# Altium PCB smart.PcbDoc (part 1 of 5)
Units mm, origin at the board's own origin, x right, y up, seen from the top; angles counter-clockwise.
Board outline 300.1 x 225.04 mm, 2 copper layers (Top Layer, Bottom Layer); 355 components, 288 nets, 1364 pads, 1127 vias.
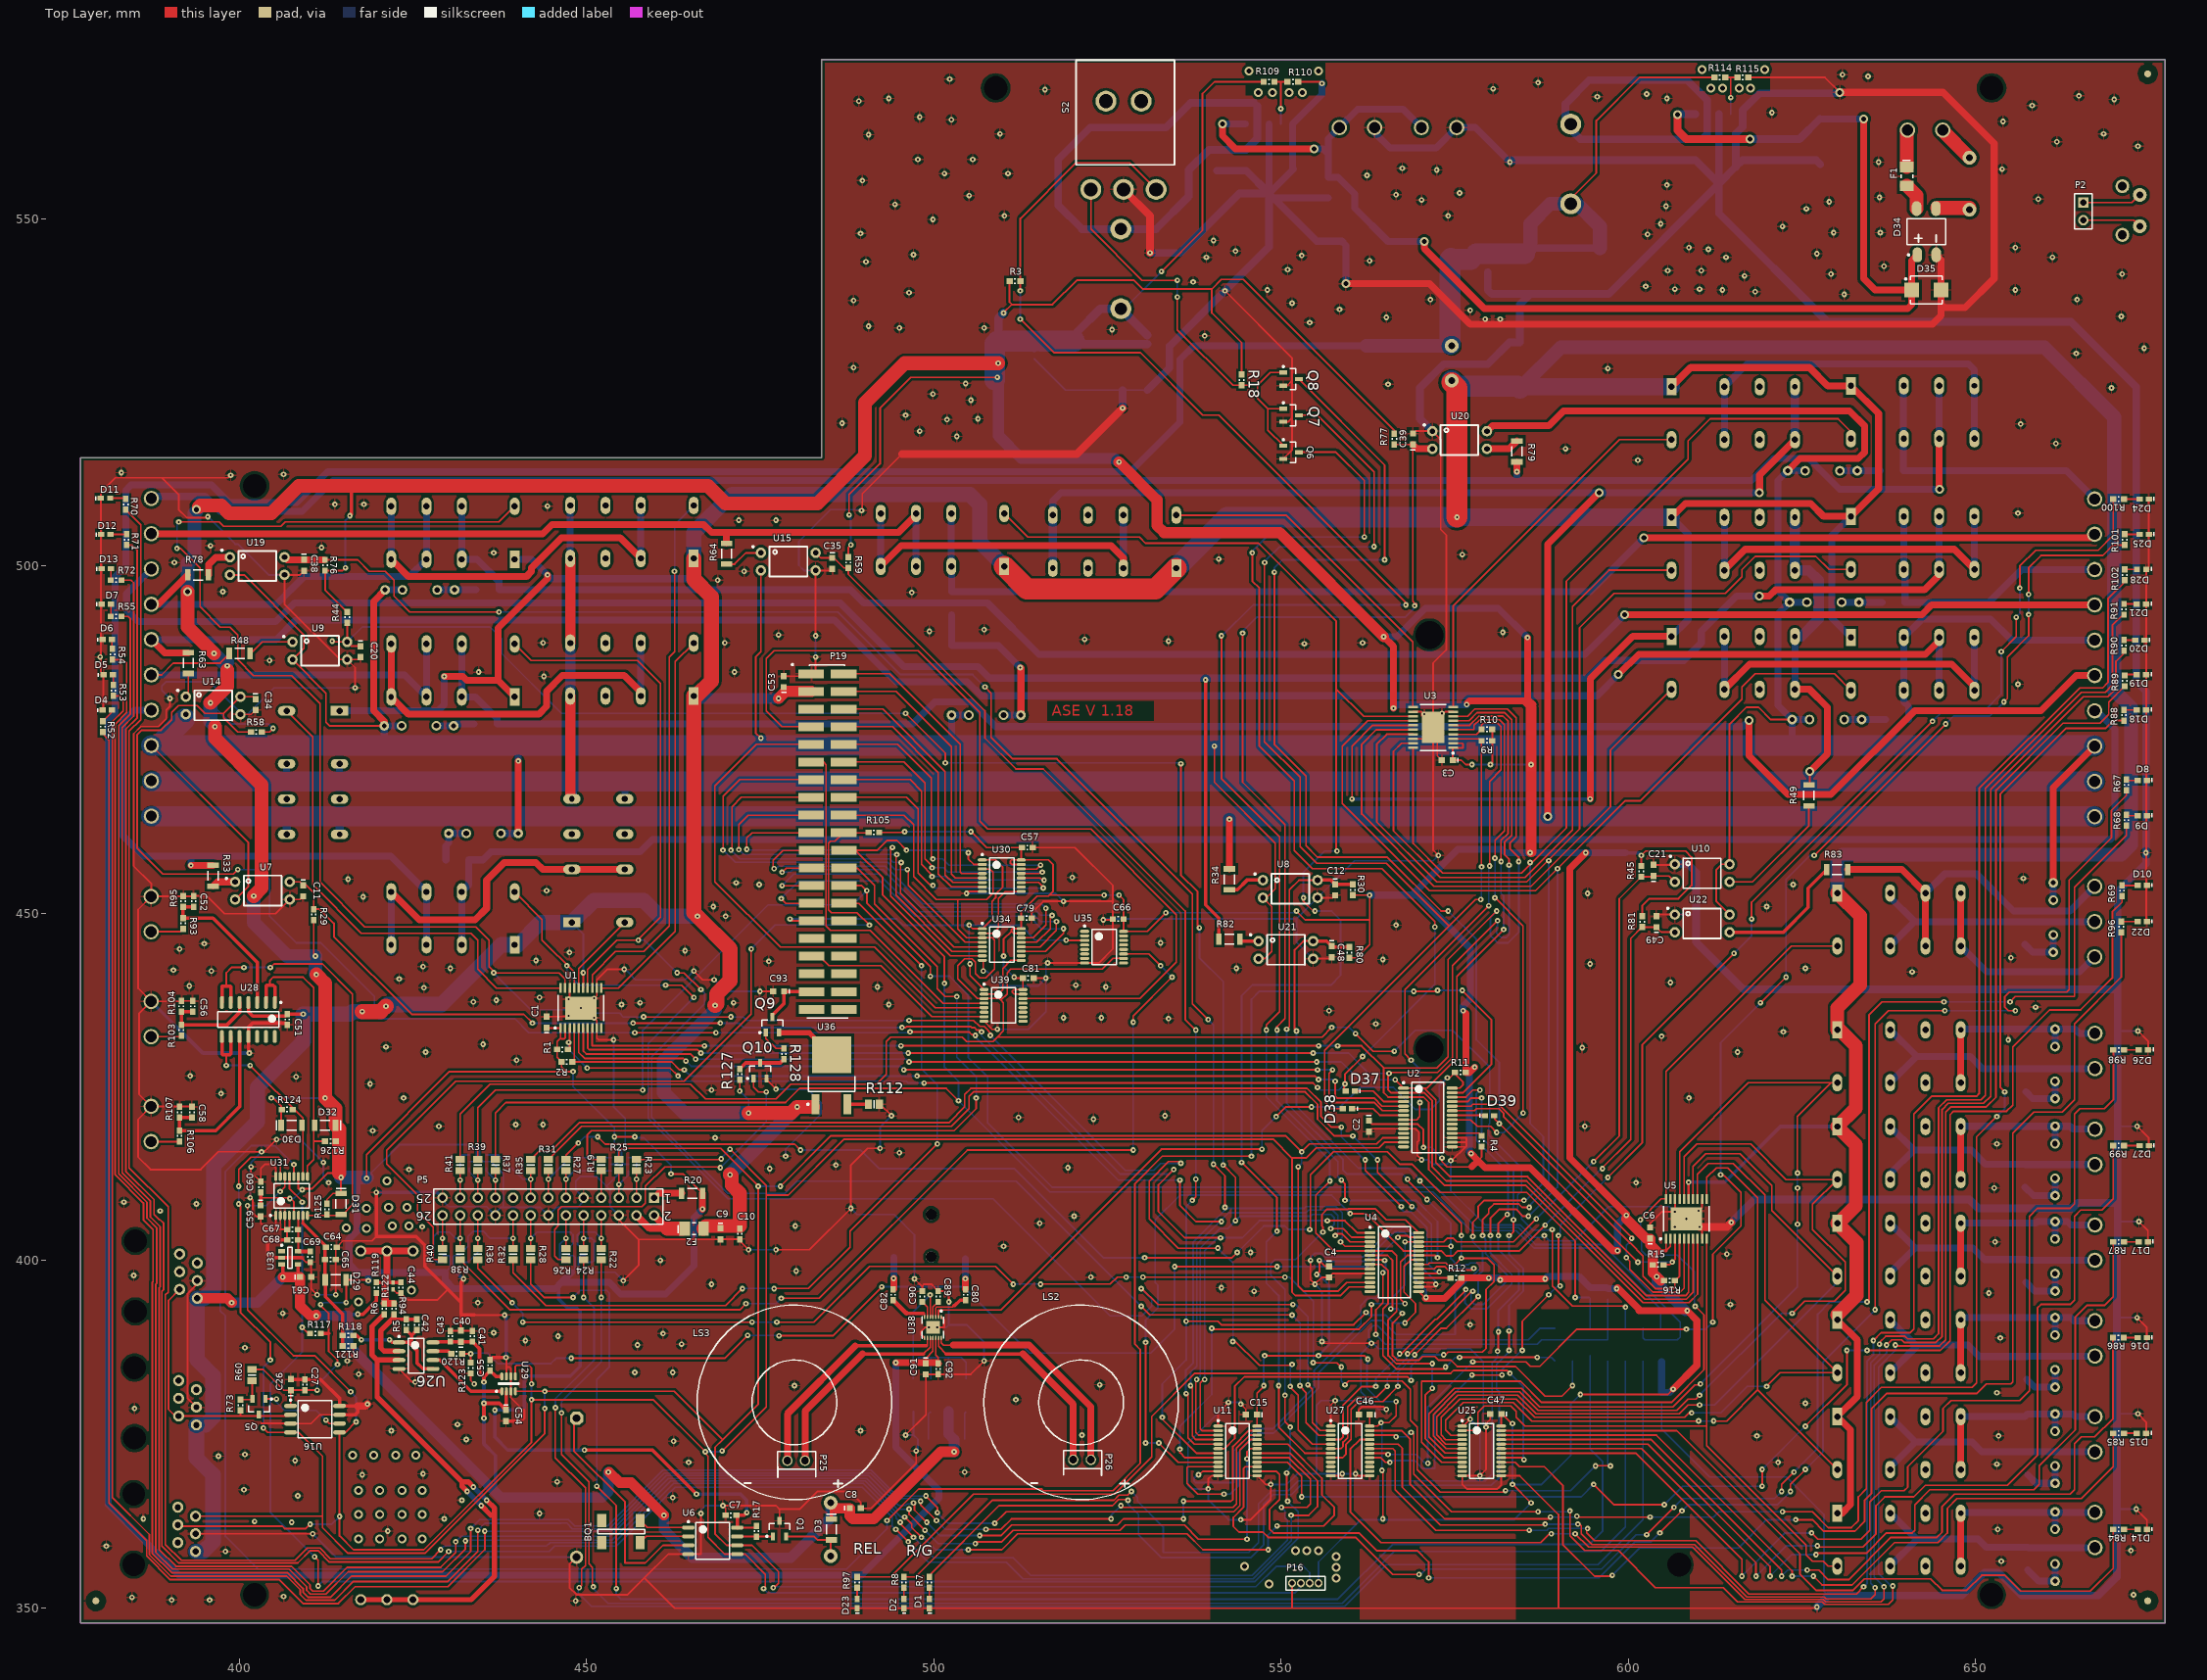
[diagram p0: Top Layer view]
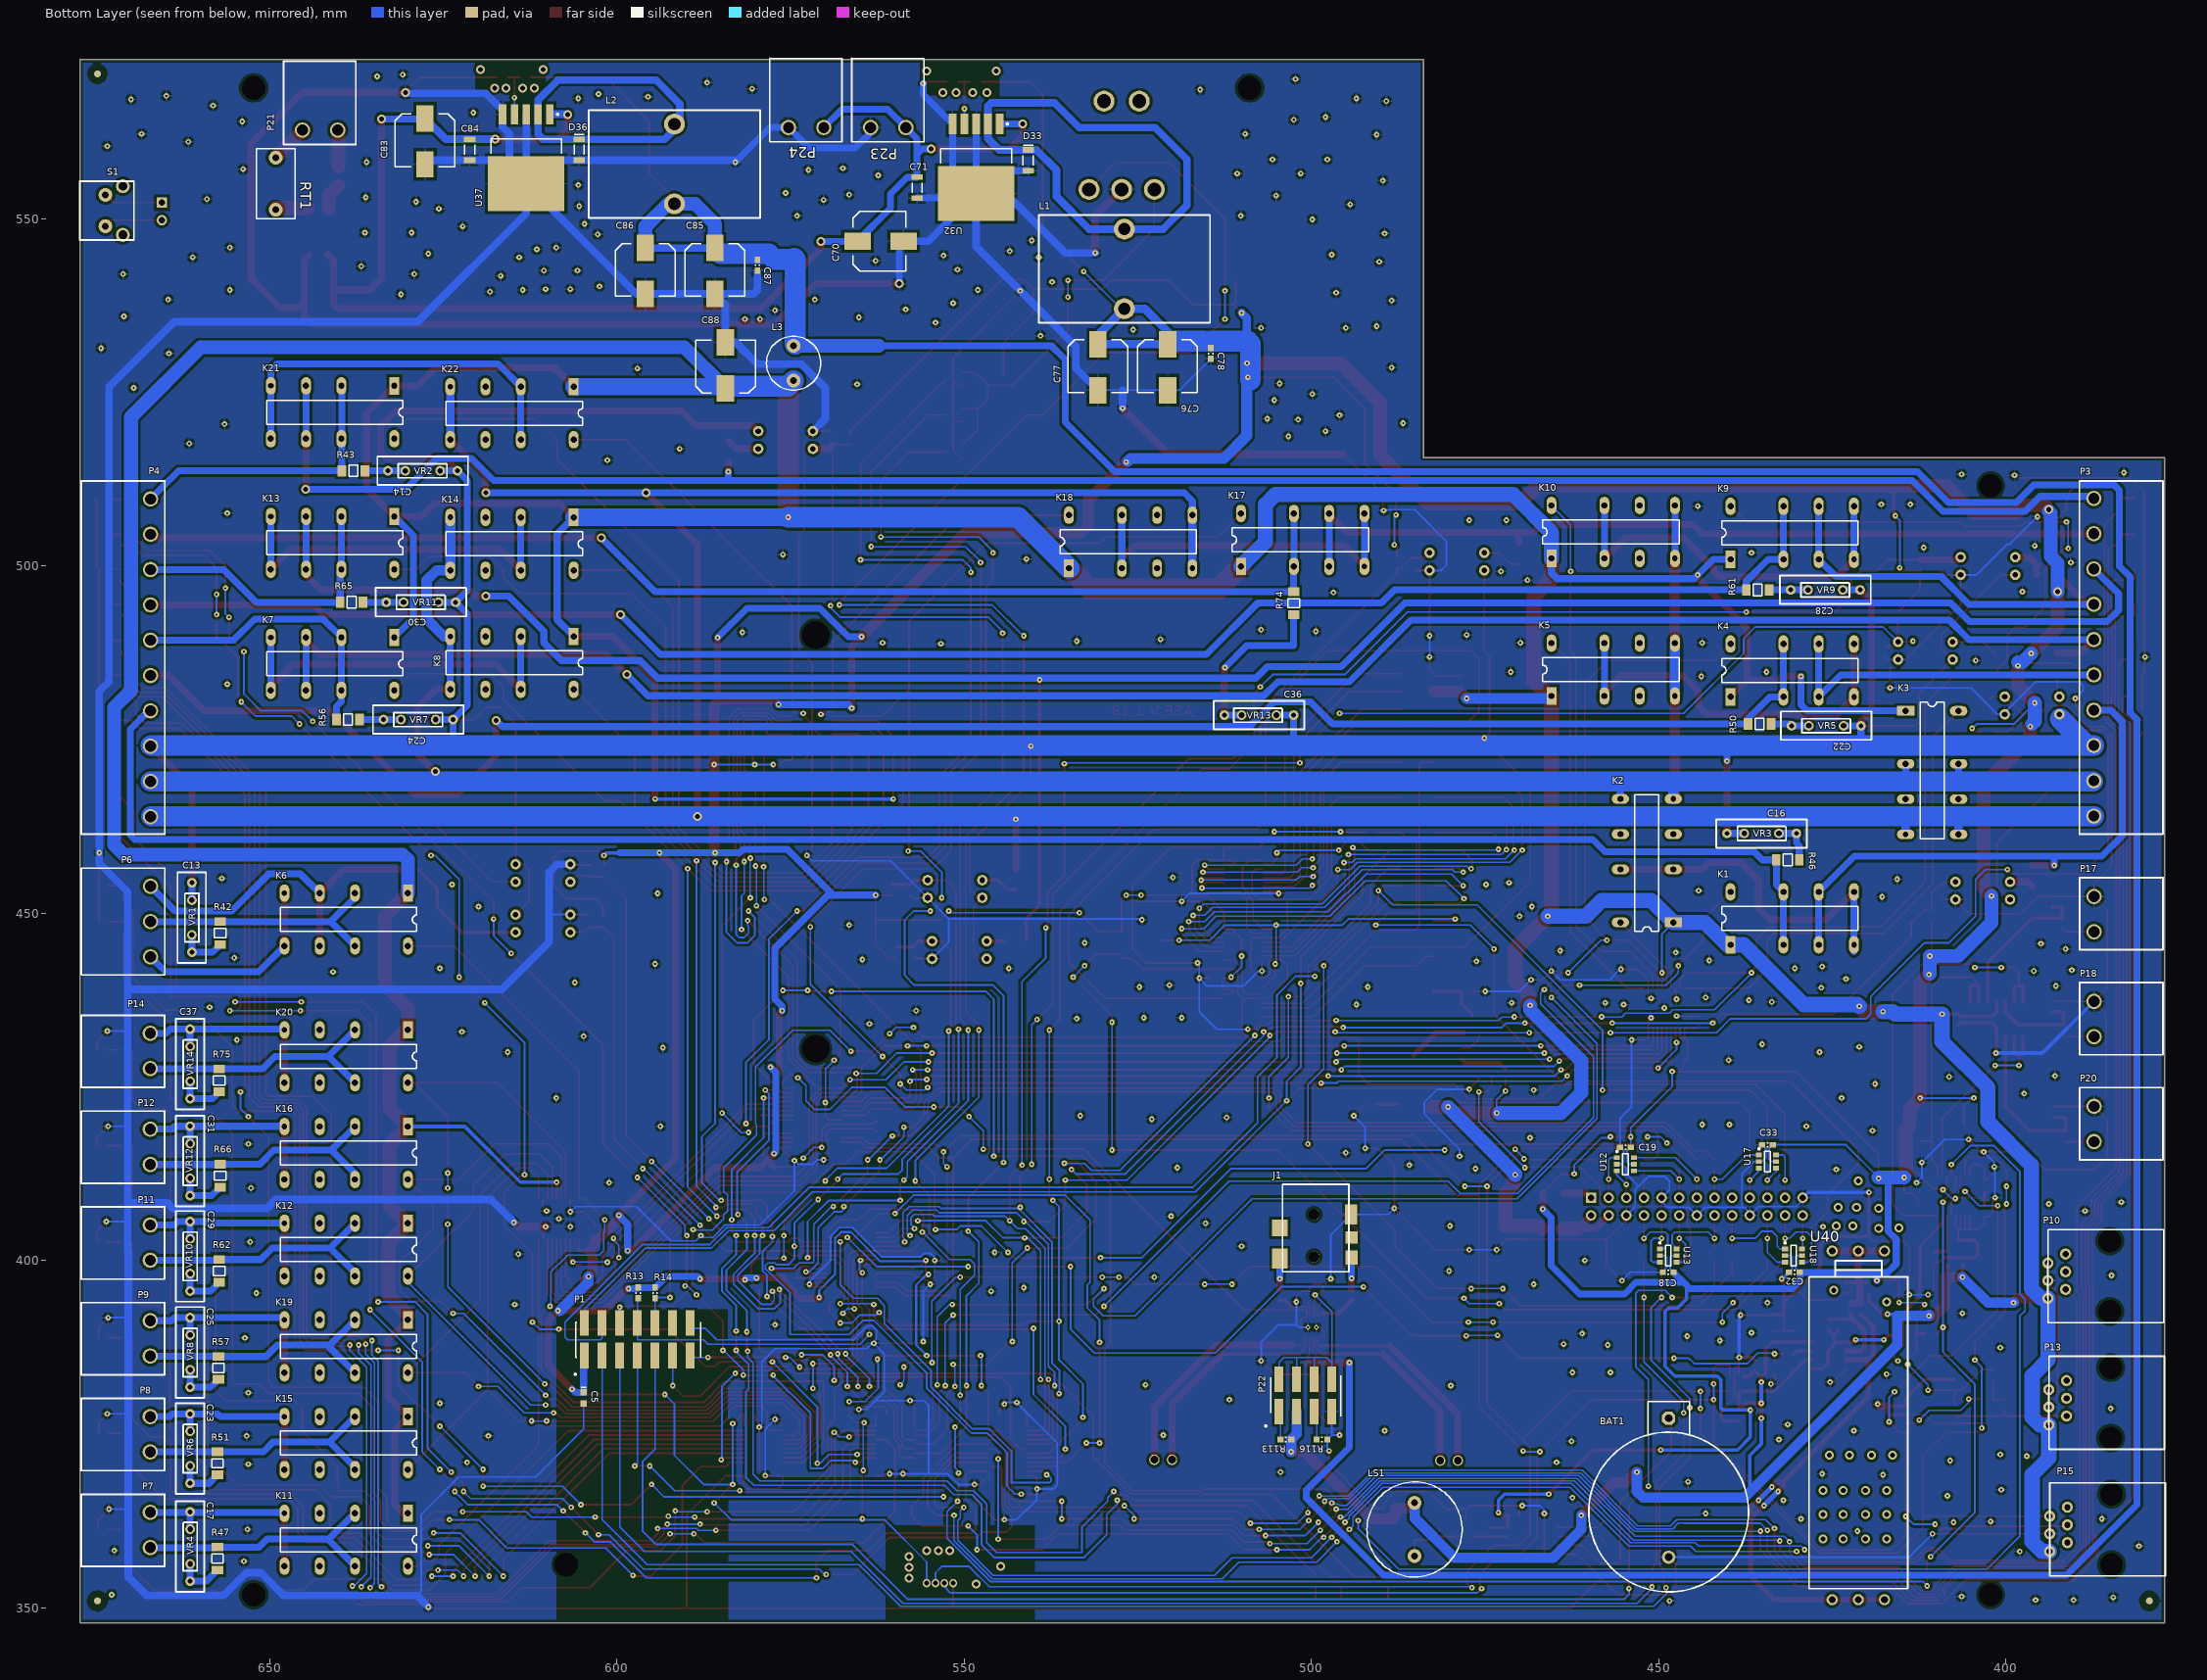
[diagram p1: Bottom Layer view, seen from below]

## Layer stack, top to bottom
Top Layer: signal copper 0.0356
Dielectric: dielectric 0.32, FR-4, Dk 4.8
Bottom Layer: signal copper 0.0356

## Board outline
377.19,347.853 677.291,347.853 677.291,572.897 483.87,572.897 483.87,515.62 377.19,515.62

## Design rules (kind name [scope] priority, off if disabled: settings)
Clearance Clearance_1 [InPolygon] p1: gap=0.4
Clearance [All] p2: gap=0.15
Height [All] p1: minheight=0 maxheight=30.4 prefheight=12.7
HoleSize [All] p1: absolutevalues=TRUE maxlimit=7 minlimit=0.025 maxpercent=80.000 minpercent=20.000
PolygonConnect [All] p1: connectstyle=Relief reliefconductorwidth=0.254 reliefentries=4 polygonreliefangle="90 Angle"
RoutingVias [All] p1: holewidth=0.711 width=1.27 viastyle="Through Hole" minholewidth=0.711 minwidth=1.27 maxholewidth=4 maxwidth=5
SilkscreenOverComponentPads [All] p1: minsilkscreentomaskgap=0.254
SolderMaskExpansion [All] p1: expansion=0
Width [All] p1: maxlimit=3 minlimit=0.2 preferedwidth=0.254
25 further rules are at their usual default settings.

## Components (designator, comment, footprint, x,y, rotation, side; value= is the part's Value field where it differs from the comment)
BAT1 "CR2032" BS-3 448.564,377.317 r270 bottom
BQ1 "Crystal" SOJ4 453.136,361.442 r270 top
C1 "Capacitor" C0805 444.246,434.34 r90 top
C2 "Capacitor" C0805 562.61,419.354 r270 top
C3 "Capacitor" C0805 573.913,472.059 r180 top
C4 "Capacitor" C0805 556.895,398.399 r270 top
C5 "Capacitor" C0805 604.774,380.238 r270 bottom
C6 "Capacitor" C0805 603.123,403.987 r90 top
C7 "Capacitor" 0603 470.789,363.347 r0 top
C8 "Capacitor" C0805 488.696,364.363 r0 top
C9 "Capacitor" C0805 469.265,403.86 r270 top
C10 "Capacitor" 0603 472.059,403.86 r90 top
C11 "Capacitor" C0805 409.194,453.263 r270 top
C12 "Capacitor" C0805 557.784,453.39 r270 top
C13 "Capacitor" B32521C3104K 661.162,454.406 r270 bottom
C14 "Capacitor" B32521C3104K 622.935,513.715 r0 bottom
C15 "Capacitor" C0805 545.719,377.825 r180 top
C16 "Capacitor" B32521C3104K 440.182,461.518 r180 bottom
C17 "Capacitor" B32521C3104K 661.416,363.855 r270 bottom
C18 "Capacitor" 0603 448.618,398.326 r180 bottom
C19 "Capacitor" 0603 454.787,416.306 r180 bottom
C20 "Capacitor" C0805 417.449,487.68 r270 top
C21 "Capacitor" C0805 603.631,456.184 r90 top
C22 "Capacitor" B32521C3104K 420.878,477.012 r0 bottom
C23 "Capacitor" B32521C3104K 661.416,377.952 r270 bottom
C24 "Capacitor" B32521C3104K 623.57,477.901 r0 bottom
C25 "Capacitor" B32521C3104K 661.416,391.795 r270 bottom
C26 "Capacitor" C0805 407.416,382.143 r90 top
C27 "Capacitor" 0603 409.448,382.143 r270 top
C28 "Capacitor" B32521C3104K 421.005,496.57 r0 bottom
C29 "Capacitor" B32521C3104K 661.416,405.638 r270 bottom
C30 "Capacitor" B32521C3104K 623.189,494.792 r0 bottom
C31 "Capacitor" B32521C3104K 661.416,419.354 r270 bottom
C32 "Capacitor" 0603 430.457,398.326 r180 bottom
C33 "Capacitor" 0603 434.34,416.687 r180 bottom
C34 "Capacitor" C0805 402.336,480.06 r270 top
C35 "Capacitor" C0805 485.394,500.38 r270 top
C36 "Capacitor" B32521C3104K 502.539,478.536 r0 bottom
C37 "Capacitor" B32521C3104K 661.416,433.324 r270 bottom
C38 "Capacitor" C0805 409.321,500.126 r270 top
C39 "Capacitor" C0805 568.96,518.287 r90 top
C40 "Capacitor" C0805 431.927,389.128 r90 top
C41 "Capacitor" 0603 433.578,389.128 r270 top
C42 "Capacitor" 0603 425.577,390.779 r270 top
C43 "Capacitor" 0603 430.403,389.128 r270 top
C44 "Capacitor" 0603 423.291,396.113 r270 top
C46 "Capacitor" C0805 561.975,377.825 r180 top
C47 "Capacitor" C0805 580.898,377.952 r180 top
C48 "Capacitor" C0805 557.276,444.5 r270 top
C49 "Capacitor" C0805 604.012,448.818 r90 top
C51 "Capacitor" 0603 406.908,434.721 r90 top
C52 "Capacitor" 0603 393.446,451.739 r270 top
C53 "Capacitor" C0805 478.409,483.362 r90 top
C54 "Capacitor" C0805 438.404,377.698 r270 top
C55 "Capacitor" 0603 436.118,384.937 r270 top
C56 "Capacitor" 0603 393.319,436.626 r270 top
C57 "Capacitor" 0603 513.461,459.486 r180 top
C58 "Capacitor" 0603 393.192,421.386 r270 top
C59 "Capacitor" C0805 403.098,407.162 r270 top
C60 "Capacitor" 0603 403.098,410.591 r270 top
C61 "Capacitor" C0805 409.575,397.637 r0 top
C64 "Capacitor" 0603 413.258,401.955 r180 top
C65 "Capacitor" 0603 413.131,400.177 r180 top
C66 "Capacitor" 0603 526.542,449.199 r0 top
C67 "Capacitor" 0603 407.67,404.495 r0 top
C68 "Capacitor" 0603 407.67,402.971 r0 top
C69 "Capacitor" 0603 410.21,400.558 r90 top
C70 "220uF" UUR1H330MCL1GS 561.975,546.735 r90 bottom
C71 "Capacitor" 1206 556.768,554.482 r90 bottom
C76 "470uF" UUR1H330MCL1GS 520.72,528.576 r180 bottom
C77 "470uF" UUR1H330MCL1GS 530.753,528.576 r180 bottom
C78 "Capacitor" 0603 514.477,530.606 r90 bottom
C79 "Capacitor" 0603 513.334,449.326 r180 top
C80 "Capacitor" 0603 504.571,395.097 r90 top
C81 "Capacitor" 0603 513.588,440.69 r180 top
C82 "Capacitor" 0603 494.157,395.097 r90 top
C83 "220uF" UUR1H330MCL1GS 627.634,561.086 r180 bottom
C84 "Capacitor" 1206 621.157,559.943 r90 bottom
C85 "470uF" UUR1H330MCL1GS 585.891,542.417 r180 bottom
C86 "470uF" UUR1H330MCL1GS 595.924,542.417 r180 bottom
C87 "Capacitor" 0603 579.755,543.306 r90 bottom
C88 "100uF" UUR1H330MCL1GS 584.327,528.955 r0 bottom
C89 "Capacitor" 0603 500.634,394.843 r90 top
C90 "Capacitor" 0603 498.348,394.843 r90 top
C91 "Capacitor" C0805 498.856,384.429 r270 top
C92 "Capacitor" 0603 500.634,384.429 r90 top
C93 "Capacitor" C0805 477.647,438.785 r180 top
D1 "Led" LED0603 499.364,350.647 r270 top
D2 "Led" LED0603 495.681,350.647 r270 top
D3 "Diode" D1206 485.267,361.315 r270 top
D4 "Led" LED0603 381,479.298 r180 top
D5 "Led" LED0603 381.127,484.378 r180 top
D6 "Led" LED0603 381,489.458 r180 top
D7 "Led" LED0603 380.873,494.538 r180 top
D8 "Led" LED0603 673.989,469.138 r0 top
D9 "Led" LED0603 673.989,464.058 r0 top
D10 "Led" LED0603 673.989,454.025 r0 top
D11 "Led" LED0603 380.746,509.778 r180 top
D12 "Led" LED0603 380.786,504.571 r180 top
D13 "Led" LED0603 380.873,499.618 r180 top
D14 "Led" LED0603 673.989,361.315 r0 top
D15 "Led" LED0603 673.862,375.158 r0 top
D16 "Led" LED0603 673.962,388.92 r0 top
D17 "Led" LED0603 674.116,402.717 r0 top
D18 "Led" LED0603 673.862,479.298 r0 top
D19 "Led" LED0603 673.862,484.378 r0 top
D20 "Led" LED0603 673.608,489.331 r0 top
D21 "Led" LED0603 673.862,494.538 r0 top
D22 "Led" LED0603 673.989,448.818 r0 top
D23 "Led" LED0603 488.95,350.647 r270 top
D24 "Led" LED0603 674.243,509.651 r0 top
D25 "Led" LED0603 674.243,504.571 r0 top
D26 "Led" LED0603 674.143,430.357 r0 top
D27 "Led" LED0603 674.243,416.56 r0 top
D28 "Led" LED0603 673.875,499.537 r0 top
D29 "Diode" D1206 413.893,397.256 r180 top
D30 "Diode" D1206 407.543,419.481 r0 top
D31 "Diode" D1206 414.655,408.178 r270 top
D32 "Diode" D1206 412.369,419.481 r180 top
D33 "Diode" D1206 540.766,558.419 r270 bottom
D34 "Bridge" CDBHM2100L-HF 644.144,549.021 r90 top
D35 "Suppressor" DO214AA 642.874,539.75 r0 top
D36 "Diode" D1206 605.409,559.943 r270 bottom
D37 "Diode" D0603 559.943,424.434 r180 top
D38 "Diode" D0603 559.562,421.894 r180 top
D39 "Diode" D0603 580.009,420.878 r0 top
F1 "Fuse, slow 2A" C1206 640.08,556.133 r270 top
F2 "Fuse, slow 2A" C1206 465.455,404.622 r0 top
J1 "Phonejack3" audio 499.618,403.606 r270 bottom
K1 "az8222" az8222 427.355,444.627 r90 bottom
K2 "az8222" az8222 447.04,461.01 r0 bottom
K3 "az8222" az8222 415.29,466.852 r180 bottom
K4 "az8222" az8222 427.355,480.314 r90 bottom
K5 "az8222" az8222 453.136,480.441 r90 bottom
K6 "az8222" az8222 642.366,453.771 r270 bottom
K7 "az8222" az8222 644.33,490.589 r270 bottom
K8 "az8222" az8222 618.49,490.728 r270 bottom
K9 "az8222" az8222 427.355,500.126 r90 bottom
K10 "az8222" az8222 453.136,500.253 r90 bottom
K11 "az8222" az8222 642.366,364.49 r270 bottom
K12 "az8222" az8222 642.366,406.248 r270 bottom
K13 "az8222" az8222 644.33,508 r270 bottom
K14 "az8222" az8222 618.49,507.873 r270 bottom
K15 "az8222" az8222 642.366,378.409 r270 bottom
K16 "az8222" az8222 642.366,420.167 r270 bottom
K17 "az8222" az8222 497.84,499.11 r90 bottom
K18 "az8222" az8222 522.605,498.856 r90 bottom
K19 "az8222" az8222 642.366,392.328 r270 bottom
K20 "az8222" az8222 642.366,434.086 r270 bottom
K21 "az8222" az8222 644.33,526.796 r270 bottom
K22 "az8222" az8222 618.49,526.669 r270 bottom
L1 "Inductor" KM_4 526.923,548.513 r270 bottom
L2 "Inductor" KM_4 591.693,563.626 r270 bottom
L3 "Inductor" IND22 574.548,529.209 r270 bottom
LS1 "Speaker" CEP2242 485.14,361.315 r180 bottom
LS2 "Speaker" AS02808MR 521.208,379.603 r0 top
LS3 "Speaker" AS02808MR 479.933,379.603 r0 top
P1 "Header 7X2" JTAG14 593.217,388.62 r90 bottom
P2 "Header 2" HDR1X2 665.48,552.323 r270 top
P3 "Header 10" 10pin_socket 387.35,464.011 r90 bottom
P4 "Header 10" 10pin_socket 667.131,509.651 r270 bottom
P5 "Header 13X2" HDR2X13 459.74,409.067 r180 top
P6 "Header 3" 3pin_socket 667.131,453.898 r270 bottom
P7 "Header 2" 2pin_socket 667.131,363.728 r270 bottom
P8 "Header 2" 2pin_socket 667.131,377.52 r270 bottom
P9 "Header 2" 2pin_socket 667.131,391.312 r270 bottom
P10 "Header 3" RJ11 385.064,397.764 r90 bottom
P11 "Header 2" 2pin_socket 667.131,405.105 r270 bottom
P12 "Header 2" 2pin_socket 667.131,418.897 r270 bottom
P13 "Header 3" RJ11 384.937,379.539 r90 bottom
P14 "Header 2" 2pin_socket 667.131,432.689 r270 bottom
P15 "Header 4" RJ11 384.81,361.315 r90 bottom
P16 "Header 4" GRPB041VWCN_RC 551.561,353.568 r0 top
P17 "Header 2" 2pin_socket 387.35,447.401 r90 bottom
P18 "Header 2" 2pin_socket 387.35,432.288 r90 bottom
P19 "Header 20X2" CON40 484.632,473.075 r0 top
P20 "Header 2" 2pin_socket 387.35,417.175 r90 bottom
P21 "Header 2" 2pin_socket 640.207,562.737 r0 bottom
P22 "Header 4X2" CON8 500.888,380.619 r90 bottom
P23 "Header 2" 2pin_socket 558.419,563.118 r0 bottom
P24 "Header 2" 2pin_socket 570.23,563.118 r0 bottom
P25 "Connector" BAT_CON 481.457,371.221 r180 top (schematic designator P1)
P26 "Connector" BAT_CON 522.605,371.348 r180 top (schematic designator P1)
Q1 "IRLML6302GTRPBF" SOT-23_N 477.774,361.442 r90 top
Q5 "IRLML6302GTRPBF" SOT-23_N 402.844,378.968 r270 top
Q6 "KST3904MTF" SOT-23_N 551.434,516.382 r0 top
Q7 "KST3904MTF" SOT-23_N 551.434,521.716 r0 top
Q8 "KST3904MTF" SOT-23_N 551.434,526.923 r0 top
Q9 "BSR18A" SOT-23_N 476.758,433.959 r90 top
Q10 "KST3904MTF" SOT-23_N 474.98,427.355 r90 top
R1 "Resistor" 0603 446.532,430.403 r0 top
R2 "Resistor" 0603 447.167,428.625 r0 top
R3 "Resistor" 0603 511.683,541.02 r0 top
R4 "Resistor" 0603 578.866,417.195 r90 top
R5 "Resistor" 0603 424.053,390.779 r270 top
R6 "Resistor" 0603 420.878,393.065 r270 top
R7 "Res" 0603 499.364,353.695 r270 top
R8 "Res" 0603 495.681,353.695 r270 top
R9 "Resistor" 0603 579.628,474.853 r180 top
R10 "Resistor" 0603 579.628,476.504 r180 top
R11 "Resistor" 0603 575.818,427.101 r0 top
R12 "Resistor" 0603 575.183,397.51 r180 top
R13 "Resistor" 0603 596.9,395.351 r270 bottom
R14 "Resistor" 0603 594.487,395.351 r270 bottom
R15 "Resistor" 0603 604.266,399.415 r0 top
R16 "Resistor" 0603 605.917,397.129 r0 top
R17 "Resistor" 0603 474.472,361.061 r270 top
R18 "Resistor" 0603 544.322,526.796 r270 top (schematic designator R?)
R19 "Res" 6-0805_L 452.12,413.766 r270 top